# Allegro board balenaFin-PCB.brd (continued)
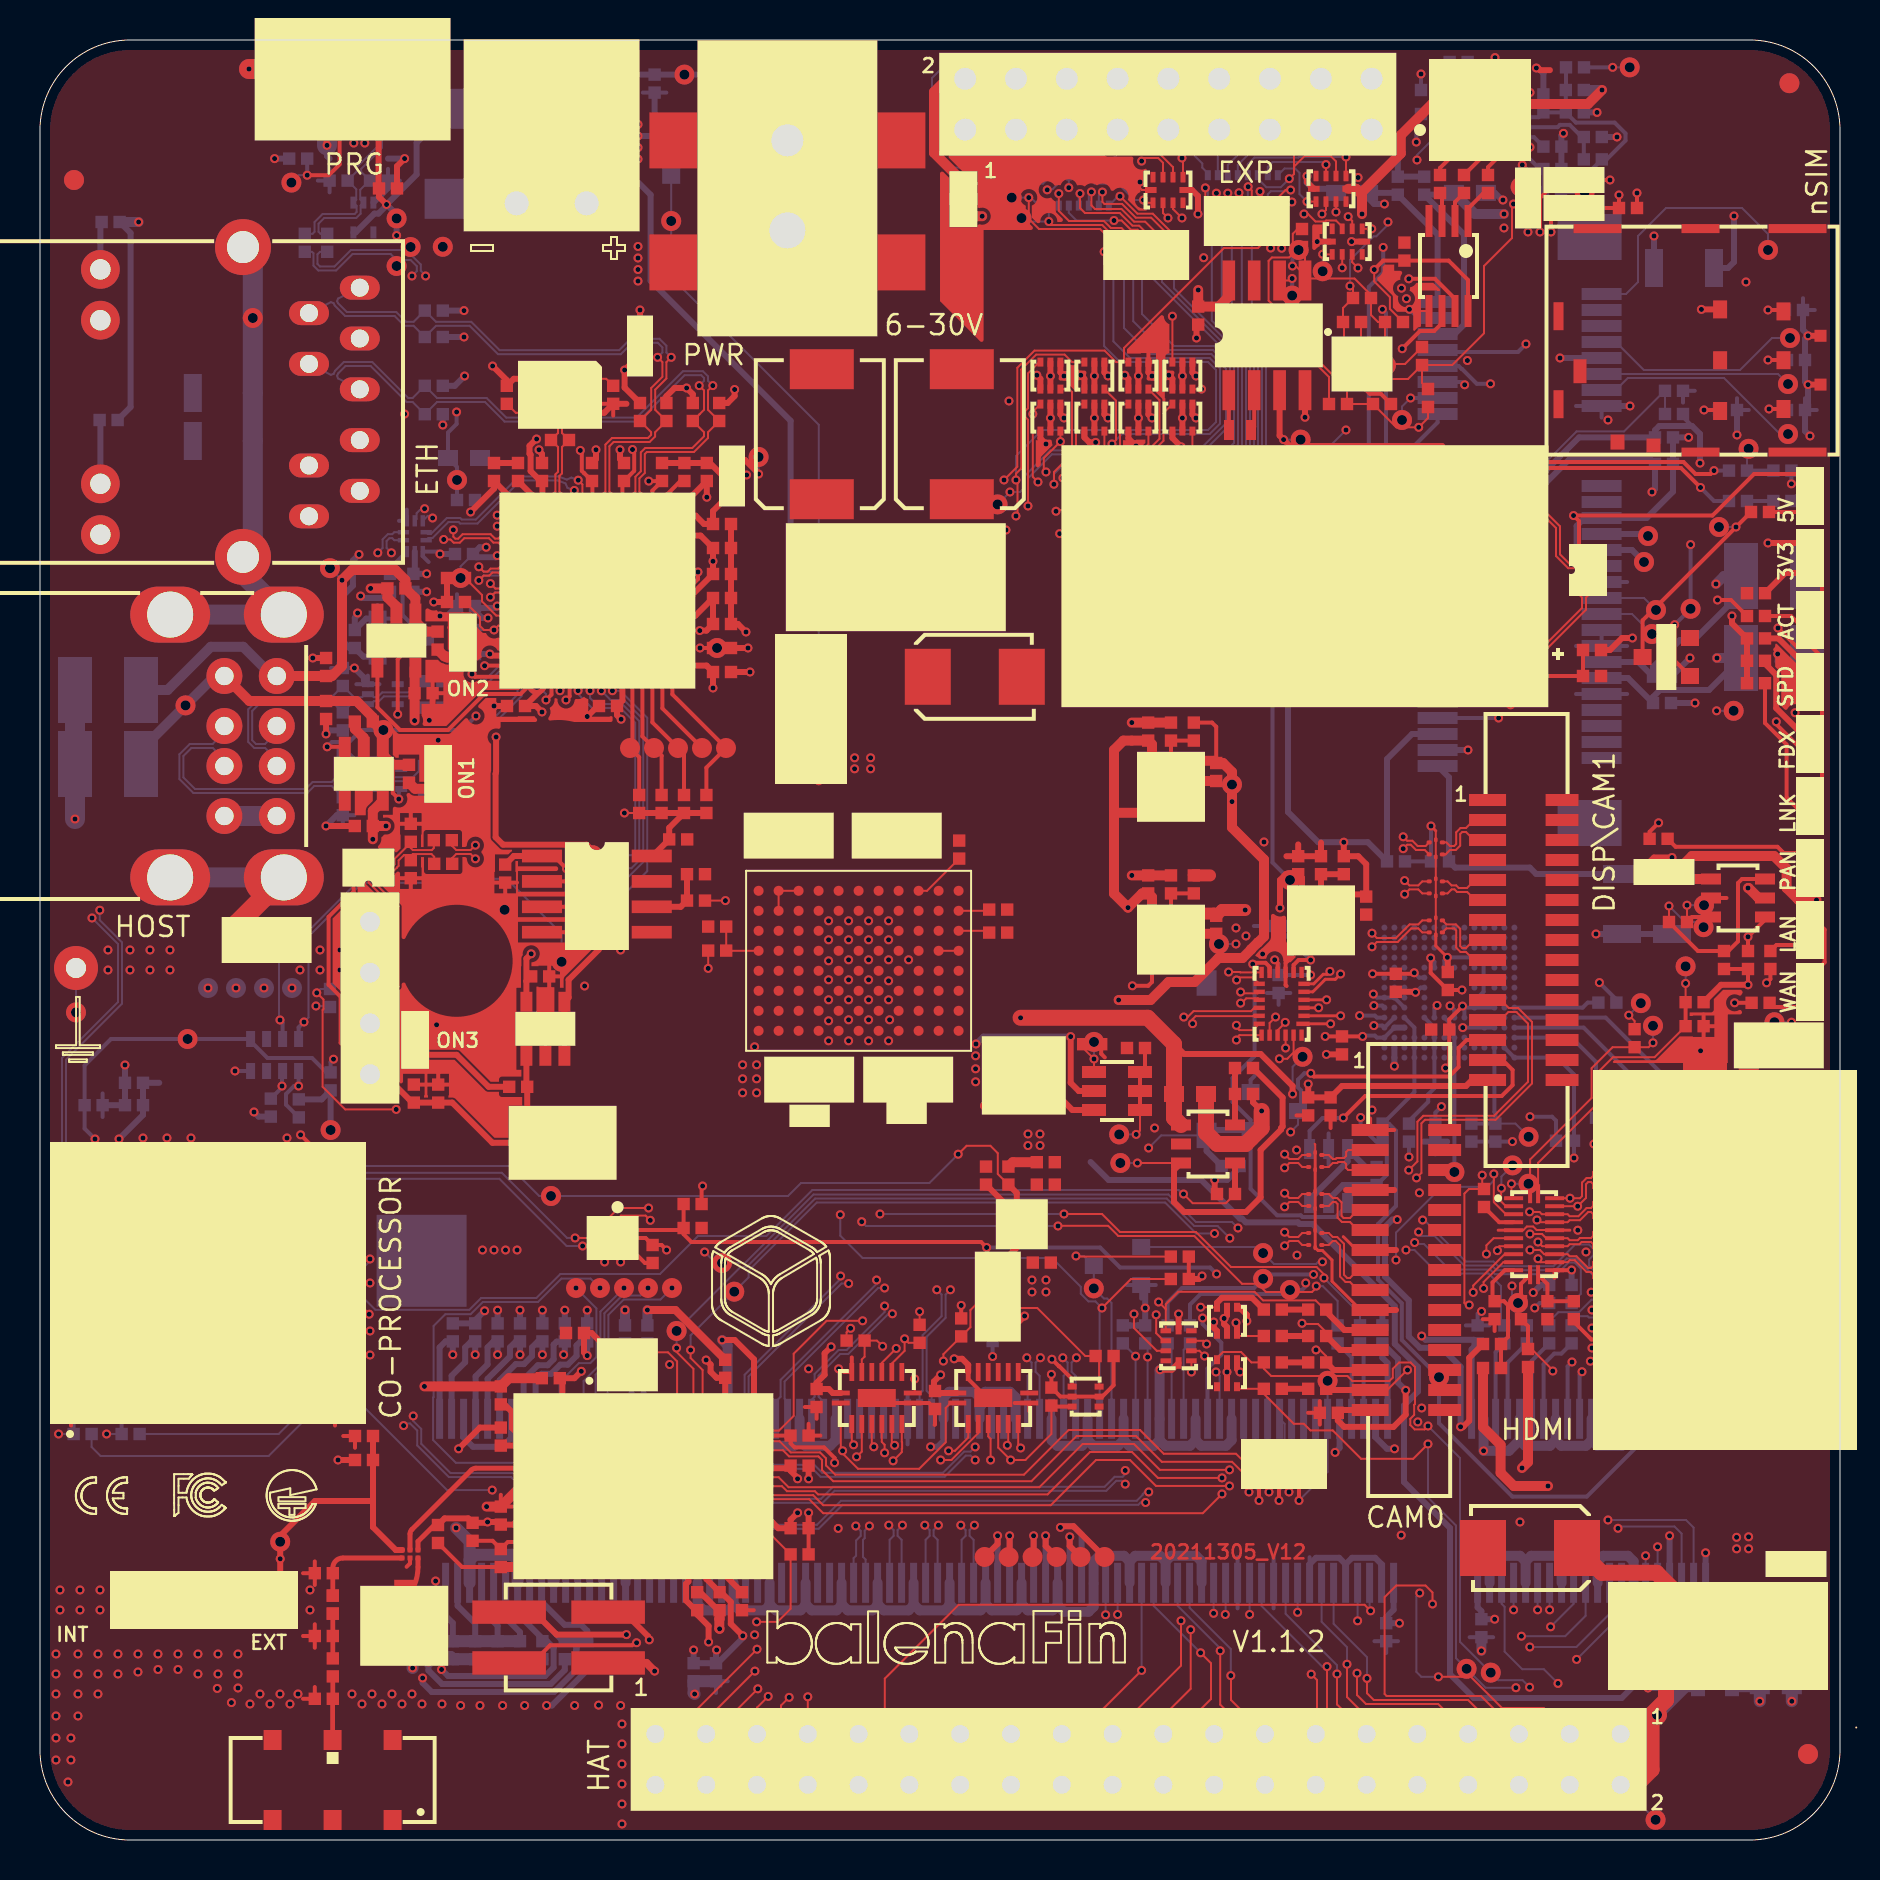
[diagram p0: board, top side]
## Placement (name value [footprint] x y rotation side) (continued)
NOREF  -  []  25.77 42.87 90 top
NOREF#2  -  []  58.5 53.26 0 top
NOREF#3  -  []  69.88 76.9 0 top
NOREF#4  -  []  111.28 81.5 90 top
NOREF#5  -  []  82.66 45.59 90 top
NOREF#6  -  []  21.94 14.65 90 top
NOREF#7  -  []  25.43 25.52 90 top
NOREF#8  -  []  54.14 24.83 90 top
NOREF#9  -  []  56.86 47.02 90 top
NOREF#10  -  []  70.2 82.75 0 top
NOREF#11  -  []  80.34 58.48 0 top
NOREF#12  -  []  50.39 34.54 0 top
NOREF#13  -  []  27.02 21.29 0 top
NOREF#14  -  []  55.26 24.83 90 top
NOREF#15  -  []  39.61 63.14 0 top
NOREF#16  -  []  73.04 25.73 90 top
NOREF#17  -  []  59.08 33.7 0 top
NOREF#18  -  []  29.5 75.1 0 top
NOREF#19  -  []  56.78 33.35 90 top
NOREF#20  -  []  67.56 75.59 90 top
NOREF#21  -  []  33.01 51.66 0 top
NOREF#22  -  []  13.43 10.51 0 top
NOREF#23  -  []  49.79 81.47 0 top
NOREF#24  -  []  83.86 10.14 90 top
NOREF#25  -  []  3.94 38.17 0 top
NOREF#26  -  []  33.53 87.1 0 top
NOREF#27  -  []  73.98 53 90 top
NOREF#28  -  []  60.45 18.05 0 top
NOREF#29  -  []  78.39 36.43 0 top
NOREF#30  -  []  64.57 26.04 0 top
NOREF#31  -  []  55.78 24.56 0 top
NOREF#32  -  []  59.44 72.49 0 top
NOREF#33  -  []  17.71 8.41 0 top
NOREF#34  -  []  -11.54 57.16 90 top
NOREF#35  -  []  40.47 23.85 0 top
NOREF#36  -  []  67 73.8 90 top
NOREF#37  -  []  27.67 25.52 90 top
NOREF#38  -  []  40.89 21.65 0 top
NOREF#39  -  []  31.91 69.16 0 top
NOREF#40  -  []  15.14 51.24 90 top
NOREF#41  -  []  77.78 84.34 0 top
NOREF#42  -  []  63.48 40.7 90 top
NOREF#43  -  []  89.65 63.7 90 top
NOREF#44  -  []  43.19 36.05 90 top
NOREF#45  -  []  25.42 44.39 90 top
NOREF#46  -  []  65.19 25.42 90 top
NOREF#47  -  []  44.97 81.54 0 top
NOREF#48  -  []  3.02 75.99 90 top
NOREF#49  -  []  60.96 36.99 90 top
NOREF#50  -  []  63.72 23.57 90 top
NOREF#51  -  []  72.2 31.65 90 top
NOREF#52  -  []  85.99 7.69 0 top
NOREF#53  -  []  61.19 23.88 0 top
NOREF#54  -  []  23.21 60.58 90 top
NOREF#55  -  []  27.5 27.6 0 top
NOREF#56  -  []  27.6 67.95 90 top
NOREF#57  -  []  17.63 86.8 0 top
NOREF#58  -  []  77.65 62.6 0 top
NOREF#59  -  []  18.76 52.91 0 top
NOREF#60  -  []  82.56 26.04 0 top
NOREF#61  -  []  61.5 22.25 90 top
NOREF#62  -  []  76.49 5.3 0 top
NOREF#63  -  []  67.31 9.94 90 top
NOREF#64  -  []  57.69 47.33 90 top
NOREF#65  -  []  22.82 7.01 90 top
NOREF#66  -  []  24.32 18.59 0 top
NOREF#67  -  []  4.2 52.15 90 top
NOREF#68  -  []  22.57 10.25 0 top
NOREF#69  -  []  56.29 23.96 90 top
NOREF#70  -  []  7.7 8.83 0 top
NOREF#71  -  []  49.99 29.77 90 top
NOREF#72  -  []  87.94 74.31 0 top
NOREF#73  -  []  82.87 41 0 top
NOREF#74  -  []  73.98 53 90 top
NOREF#75  -  []  86.05 21.12 90 top
NOREF#76  -  []  23.46 37.66 0 top
NOREF#77  -  []  34.86 59.29 90 top
NOREF#78  -  []  17.68 62.27 90 top
NOREF#79  -  []  85.9 79.5 0 top
NOREF#80  -  []  56.97 82.65 0 top
NOREF#81  -  []  18.23 16.96 0 top
NOREF#82  -  []  19.83 73.02 0 top
NOREF#83  -  []  64.45 71.8 0 top
NOREF#84  -  []  32.6 54.6 0 top
NOREF#85  -  []  40.89 21.65 90 top
NOREF#86  -  []  1.55 22.2 90 top
NOREF#87  -  []  58.44 81.45 90 top
NOREF#88  -  []  82.43 10.45 0 top
NOREF#89  -  []  11.84 53.7 90 top
NOREF#90  -  []  36.67 22.34 90 top
NOREF#91  -  []  41.59 23.4 0 top
NOREF#92  -  []  72.15 24.8 0 top
NOREF#93  -  []  23.35 14.24 90 top
NOREF#94  -  []  72.46 36.13 0 top
NOREF#95  -  []  70.39 42.5 90 top
NOREF#96  -  []  85.88 68.4 90 top
NOREF#97  -  []  23.03 73.02 0 top
NOREF#98  -  []  46.27 49.66 90 top
NOREF#99  -  []  11.94 54.16 0 top
NOREF#100  -  []  28.97 71.5 90 top
NOREF#101  -  []  77.61 42.18 0 top
NOREF#102  -  []  85.04 58.15 0 top
NOREF#103  -  []  18.08 0.5 90 top
NOREF#104  -  []  89.65 57.5 90 top
NOREF#105  -  []  40.89 51.17 0 top
NOREF#106  -  []  87.25 76.5 0 top
NOREF#107  -  []  56.78 35.3 0 top
NOREF#108  -  []  14.94 54.16 0 top
NOREF#109  -  []  84.36 66.47 90 top
NOREF#110  -  []  79.05 74.77 0 top
NOREF#111  -  []  29.65 51.66 0 top
NOREF#112  -  []  2.98 71 0 top
NOREF#113  -  []  34.79 12.7 0 top
NOREF#114  -  []  14.5 41.65 90 top
NOREF#115  -  []  63.72 26.21 90 top
NOREF#116  -  []  7.1 66.19 90 top
NOREF#117  -  []  79.4 37.65 0 top
NOREF#118  -  []  95.3 27.9 90 top
NOREF#119  -  []  67.68 12.86 0 top
NOREF#120  -  []  58.85 22.66 0 top
NOREF#121  -  []  87.26 68.78 0 top
NOREF#122  -  []  57.38 48.54 0 top
NOREF#123  -  []  24.81 26.14 0 top
NOREF#124  -  []  64.9 72.75 90 top
NOREF#125  -  []  78.65 49.25 0 top
NOREF#126  -  []  19.83 76.78 0 top
NOREF#127  -  []  69.88 76.9 0 top
NOREF#128  -  []  1.3 43.6 0 top
NOREF#129  -  []  24.22 58.82 90 top
NOREF#130  -  []  83.89 43.86 0 top
NOREF#131  -  []  55.25 82.35 0 top
NOREF#132  -  []  20 49.68 90 top
NOREF#133  -  []  61.53 72.43 90 top
NOREF#134  -  []  15.75 20.2 0 top
NOREF#135  -  []  48.14 39.43 0 top
NOREF#136  -  []  69.56 40.52 0 top
NOREF#137  -  []  61.74 82.99 90 top
NOREF#138  -  []  66.31 46.27 90 top
NOREF#139  -  []  83.28 47.6 0 top
NOREF#140  -  []  69.41 73.44 90 top
NOREF#141  -  []  19.38 50.3 0 top
NOREF#142  -  []  20.45 76.16 90 top
NOREF#143  -  []  62.49 79.7 90 top
NOREF#144  -  []  56.55 54.97 90 top
NOREF#145  -  []  77.88 80.57 0 top
NOREF#146  -  []  53.84 83.72 0 top
NOREF#147  -  []  57.5 24.86 0 top
NOREF#148  -  []  66.94 76.21 0 top
NOREF#149  -  []  14.4 19.75 90 top
NOREF#150  -  []  29.96 51.35 90 top
NOREF#151  -  []  55.3 45.89 0 top
NOREF#152  -  []  84.87 10.67 0 top
NOREF#153  -  []  60.45 18.05 0 top
NOREF#154  -  []  58.59 80.2 90 top
NOREF#155  -  []  33.65 60.8 0 top
NOREF#156  -  []  19.6 38.08 0 top
NOREF#157  -  []  85.71 43.24 90 top
NOREF#158  -  []  24.9 73.06 0 top
NOREF#159  -  []  87.35 48.2 0 top
NOREF#160  -  []  65.41 39.87 90 top
NOREF#161  -  []  84.95 7.19 90 top
NOREF#162  -  []  14.17 83.28 0 top
NOREF#163  -  []  15.67 81.87 0 top
NOREF#164  -  []  26.24 53.09 0 top
NOREF#165  -  []  11.23 36.48 0 top
NOREF#166  -  []  19.22 56.62 0 top
NOREF#167  -  []  27.95 56.7 0 top
NOREF#168  -  []  73.98 78 0 top
NOREF#169  -  []  57.28 43.47 0 top
NOREF#170  -  []  60.88 25.51 0 top
NOREF#171  -  []  34.11 8.53 90 top
NOREF#172  -  []  56.06 23.8 0 top
NOREF#173  -  []  30.32 29.16 0 top
NOREF#174  -  []  20.4 69.1 0 top
NOREF#175  -  []  56.06 24.34 90 top
NOREF#176  -  []  61.19 22.56 0 top
NOREF#177  -  []  38.48 51.17 0 top
NOREF#178  -  []  86.56 62.03 90 top
NOREF#179  -  []  12.94 36.13 90 top
NOREF#180  -  []  86.05 21.12 90 top
NOREF#181  -  []  64.88 60.2 0 top
NOREF#182  -  []  79.42 39.95 0 top
NOREF#183  -  []  87.88 68.16 90 top
NOREF#184  -  []  20.02 48.5 90 top
NOREF#185  -  []  13.74 10.2 0 top
NOREF#186  -  []  66.62 45.96 90 top
NOREF#187  -  []  51.61 22.67 0 top
NOREF#188  -  []  26.55 25.52 90 top
NOREF#189  -  []  18.76 53.45 90 top
NOREF#190  -  []  70.61 17.1 0 top
NOREF#191  -  []  81.5 48.8 0 top
NOREF#192  -  []  77.95 62.75 90 top
NOREF#193  -  []  69.45 83.95 0 top
NOREF#194  -  []  55.72 47.92 90 top
NOREF#195  -  []  12.71 39.65 90 top
NOREF#196  -  []  1.68 21.6 0 top
NOREF#197  -  []  32.99 8.53 90 top
NOREF#198  -  []  73.53 25.42 90 top
NOREF#199  -  []  22.97 57.57 90 top
NOREF#200  -  []  9.3 42.6 0 top
NOREF#201  -  []  22.06 61.39 90 top
NOREF#202  -  []  50.09 81.97 90 top
NOREF#203  -  []  24 9.04 90 top
NOREF#204  -  []  64.79 40.49 0 top
NOREF#205  -  []  66.36 75.59 90 top
NOREF#206  -  []  76.88 87.81 0 top
NOREF#207  -  []  19.2 53.7 0 top
NOREF#208  -  []  81.15 77.65 90 top
NOREF#209  -  []  56.62 70.44 0 top
NOREF#210  -  []  80.05 21.12 0 top
NOREF#211  -  []  15.43 56.23 0 top
NOREF#212  -  []  47.89 25.67 90 top
NOREF#213  -  []  13.32 62.52 0 top
NOREF#214  -  []  87.35 42 0 top
NOREF#215  -  []  11.53 85.2 90 top
NOREF#216  -  []  35.45 86.55 0 top
NOREF#217  -  []  3.94 37.05 0 top
NOREF#218  -  []  54.85 46.77 0 top
NOREF#219  -  []  3.02 67.81 90 top
NOREF#220  -  []  63.41 23.88 0 top
NOREF#221  -  []  33.98 11.49 90 top
NOREF#222  -  []  75.92 71.79 0 top
NOREF#223  -  []  19.83 71.6 0 top
NOREF#224  -  []  61.94 79.95 0 top
NOREF#225  -  []  50.87 72.32 90 top
NOREF#226  -  []  75.68 25.73 90 top
NOREF#227  -  []  80.65 58.17 0 top
NOREF#228  -  []  36.39 49.27 90 top
NOREF#229  -  []  43.98 24.86 90 top
NOREF#230  -  []  69.64 87.81 0 top
NOREF#231  -  []  32.64 70.95 90 top
NOREF#232  -  []  43.67 26.07 0 top
NOREF#233  -  []  73.68 29.69 90 top
NOREF#234  -  []  46.71 21.65 90 top
NOREF#235  -  []  54.42 72.55 90 top
NOREF#236  -  []  83.05 9.83 90 top
NOREF#237  -  []  75.66 27.45 90 top
NOREF#238  -  []  22.82 7.01 90 top
NOREF#239  -  []  67.82 84.22 90 top
NOREF#240  -  []  25.41 67.64 90 top
NOREF#241  -  []  18.36 62.72 0 top
NOREF#242  -  []  89.2 8.3 90 top
NOREF#243  -  []  60.53 35.5 0 top
NOREF#244  -  []  85.35 58.96 0 top
NOREF#245  -  []  16.5 38.29 90 top
NOREF#246  -  []  87.5 61.55 90 top
NOREF#247  -  []  68.2 82.85 90 top
NOREF#248  -  []  44.44 21.86 0 top
NOREF#249  -  []  20.22 37.46 90 top
NOREF#250  -  []  89.65 66.8 90 top
NOREF#251  -  [unnamed#2]  83.93 52.9 0 top
NOREF#252  -  []  16.28 85.88 0 top
NOREF#253  -  []  32.87 89.98 90 top
NOREF#254  -  []  57.28 81.59 90 top
NOREF#255  -  []  33.41 45.67 0 top
NOREF#256  -  []  21.34 64.61 0 top
NOREF#257  -  []  74.66 62.91 0 top
NOREF#258  -  []  75.77 25.42 90 top
NOREF#259  -  []  10.19 73.3 0 top
NOREF#260  -  []  58.22 75.46 90 top
NOREF#261  -  []  73.18 61.12 0 top
NOREF#262  -  []  32.51 51.04 90 top
NOREF#263  -  [unnamed#2]  6.07 86 0 top
NOREF#264  -  []  46.29 20.35 90 top
NOREF#265  -  []  85.66 59.77 90 top
NOREF#266  -  []  33.65 72.16 0 top
NOREF#267  -  []  51.02 70.44 90 top
NOREF#268  -  []  59.75 33.85 90 top
NOREF#269  -  []  18.8 59.72 90 top
NOREF#270  -  []  43.24 59.56 0 top
NOREF#271  -  []  80.4 10.88 0 top
NOREF#272  -  []  19.51 52.07 90 top
NOREF#273  -  []  17.89 65.1 0 top
NOREF#274  -  []  17.37 62.58 0 top
NOREF#275  -  []  26.61 25.04 90 top
NOREF#276  -  []  14.53 37.48 90 top
NOREF#277  -  []  24.87 14.09 90 top
NOREF#278  -  []  14.19 41.96 0 top
NOREF#279  -  []  29.98 80.43 0 top
NOREF#280  -  []  64.31 81.95 90 top
NOREF#281  -  []  87.17 71.55 90 top
NOREF#282  -  []  75.7 16 0 top
NOREF#283  -  []  78.36 59.19 90 top
NOREF#284  -  []  44.39 58.16 0 top
NOREF#285  -  []  86.53 26.66 90 top
NOREF#286  -  []  30.37 19.49 0 top
NOREF#287  -  []  88.1 14.2 0 top
NOREF#288  -  []  55.3 51.79 90 top
NOREF#289  -  []  57.75 27.74 90 top
NOREF#290  -  []  20.21 15.44 90 top
NOREF#291  -  []  18.54 48.09 90 top
NOREF#292  -  []  57.75 28.86 90 top
NOREF#293  -  []  57.47 72.02 0 top
NOREF#294  -  []  69.64 86.61 0 top
NOREF#295  -  []  74.34 24.83 90 top
NOREF#296  -  []  25.55 70 0 top
NOREF#297  -  []  33.41 44.47 0 top
NOREF#298  -  []  61.19 25.2 0 top
NOREF#299  -  []  20.75 64.3 0 top
NOREF#300  -  []  69.88 76.9 90 top
NOREF#301  -  []  15.45 58.29 90 top
NOREF#302  -  []  20.45 74.84 90 top
NOREF#303  -  [unnamed#3]  83.93 4 0 top
NOREF#304  -  []  66.23 79.02 90 top
NOREF#305  -  []  19.24 75.15 0 top
NOREF#306  -  []  19.73 43.96 0 top
NOREF#307  -  []  86.67 68.47 0 top
NOREF#308  -  []  10.76 38.85 90 top
NOREF#309  -  []  34.1 68.6 0 top
NOREF#310  -  []  51.53 14.15 0 top
NOREF#311  -  []  13.48 82.5 0 top
NOREF#312  -  []  80.19 9.73 0 top
NOREF#313  -  []  53.29 82.97 90 top
NOREF#314  -  []  77.5 86.07 90 top
NOREF#315  -  []  80.5 8.52 90 top
NOREF#316  -  []  32.05 50.34 0 top
NOREF#317  -  []  72.09 82.66 0 top
NOREF#318  -  []  23.01 67.64 90 top
NOREF#319  -  []  68.1 43 90 top
NOREF#320  -  []  75.17 84.67 0 top
NOREF#321  -  []  1.99 21.29 90 top
NOREF#322  -  []  4.56 37.55 90 top
NOREF#323  -  []  1.75 57.5 0 top
NOREF#324  -  []  77.92 41.87 0 top
NOREF#325  -  []  75.9 83 0 top
NOREF#326  -  []  31.56 83.21 0 top
NOREF#327  -  []  4.47 36.82 90 top
NOREF#328  -  []  62.29 83.74 0 top
NOREF#329  -  []  33.96 70.95 90 top
NOREF#330  -  []  28.26 56.39 90 top
NOREF#331  -  []  66.51 79.77 90 top
NOREF#332  -  []  54.95 25.14 0 top
NOREF#333  -  []  68.56 48.62 90 top
NOREF#334  -  []  80.65 56.85 0 top
NOREF#335  -  []  14.33 8.49 0 top
NOREF#336  -  []  87.5 57.45 90 top
NOREF#337  -  []  58.54 32.61 0 top
NOREF#338  -  []  58.54 81.99 90 top
NOREF#339  -  []  99.77 69.74 90 top
NOREF#340  -  []  60.88 26.83 0 top
NOREF#341  -  []  62.57 43.66 0 top
NOREF#342  -  []  65.74 76.21 0 top
NOREF#343  -  []  77.19 85.15 0 top
NOREF#344  -  []  52.7 36.5 0 top
NOREF#345  -  []  33.1 44.78 0 top
NOREF#346  -  []  57.46 78 90 top
NOREF#347  -  []  90.85 32.7 0 top
NOREF#348  -  []  53.56 78.5 0 top
NOREF#349  -  []  56.91 78.25 0 top
NOREF#350  -  []  73.36 24.49 90 top
NOREF#351  -  []  71.88 24.83 90 top
NOREF#352  -  []  80.17 35.67 0 top
NOREF#353  -  []  45.41 21.73 0 top
NOREF#354  -  []  60.97 39.96 0 top
NOREF#355  -  []  72.71 82.04 90 top
NOREF#356  -  []  44.96 84.22 0 top
NOREF#357  -  []  81.6 45.3 90 top
NOREF#358  -  []  14.83 55.79 0 top
NOREF#359  -  []  27.36 24.93 90 top
NOREF#360  -  []  84.2 64.85 0 top
NOREF#361  -  []  30.2 54.6 0 top
NOREF#362  -  []  58 55.56 90 top
NOREF#363  -  []  30.94 28.54 90 top
NOREF#364  -  []  88.15 49 0 top
NOREF#365  -  []  41.91 38.02 0 top
NOREF#366  -  []  16.57 52.55 90 top
NOREF#367  -  []  75.66 25.8 90 top
NOREF#368  -  []  34.86 58.09 90 top
NOREF#369  -  []  25.1 47.93 90 top
NOREF#370  -  []  6.51 48.13 90 top
NOREF#371  -  []  54.7 37.8 0 top
NOREF#372  -  []  80.75 70.13 0 top
NOREF#373  -  []  3.02 65.27 90 top
NOREF#374  -  []  22.06 58.99 90 top
NOREF#375  -  []  53.84 83.72 0 top
NOREF#376  -  []  84.45 68.47 0 top
NOREF#377  -  []  40.64 24.66 90 top
NOREF#378  -  []  86.25 112.01 90 top
NOREF#379  -  []  85.66 66.64 90 top
NOREF#380  -  []  16.05 55.61 90 top
NOREF#381  -  []  63.57 71.49 90 top
NOREF#382  -  []  4.5 0 90 top
NOREF#383  -  []  80.72 10.2 0 top
NOREF#384  -  []  68.9 83.47 0 top
NOREF#385  -  []  76.27 26.04 0 top
NOREF#386  -  []  44.47 80.08 90 top
NOREF#387  -  []  64.06 25.8 0 top
NOREF#388  -  []  86.83 44.14 90 top
NOREF#389  -  []  11.09 69 90 top
NOREF#390  -  []  87.94 71.81 0 top
NOREF#391  -  []  67.35 48.93 0 top
NOREF#392  -  []  48.14 37.03 90 top
NOREF#393  -  []  16.06 18.69 90 top
NOREF#394  -  []  25.12 9.04 90 top
NOREF#395  -  []  84.36 61.12 90 top
NOREF#396  -  []  45.09 68.64 0 top
NOREF#397  -  []  30.42 88.58 0 top
NOREF#398  -  []  74.4 81.3 90 top
NOREF#399  -  []  33.56 46.66 90 top
NOREF#400  -  []  29.98 80.43 90 top
NOREF#401  -  []  4.47 39.76 0 top
NOREF#402  -  []  63.72 22.25 90 top
NOREF#403  -  []  15.74 50.7 0 top
NOREF#404  -  []  51.05 32.46 90 top
NOREF#405  -  []  71.76 84.79 90 top
NOREF#406  -  []  48.19 29.77 0 top
NOREF#407  -  []  60.3 70 0 top
NOREF#408  -  []  34.26 23.11 90 top
NOREF#409  -  []  52.73 14.15 0 top
NOREF#410  -  []  69.21 82.27 90 top
NOREF#411  -  []  70.08 42.81 0 top
NOREF#412  -  []  22.07 25.52 90 top
NOREF#413  -  []  18.85 50.5 90 top
NOREF#414  -  []  30.68 25.42 90 top
NOREF#415  -  []  66.52 33.06 0 top
NOREF#416  -  []  56.2 37.7 0 top
NOREF#417  -  []  59.16 31.99 90 top
NOREF#418  -  []  54.27 71.57 90 top
NOREF#419  -  []  63.1 25.51 0 top
NOREF#420  -  []  18.08 1.5 90 top
NOREF#421  -  []  44.29 25.45 90 top
NOREF#422  -  []  45.65 50.28 0 top
NOREF#423  -  []  84.51 43.24 90 top
NOREF#424  -  []  18.5 14.5 0 top
NOREF#425  -  []  12.1 42.6 0 top
NOREF#426  -  []  85.58 41.86 0 top
NOREF#427  -  []  1.37 21.91 0 top
NOREF#428  -  []  81.25 71.3 0 top
NOREF#429  -  []  46.37 24.87 90 top
NOREF#430  -  []  75.07 61.44 90 top
NOREF#431  -  []  86.25 9.92 90 top
NOREF#432  -  []  20.85 61.7 0 top
NOREF#433  -  []  76.38 26.35 0 top
NOREF#434  -  []  77.8 36.12 0 top
NOREF#435  -  []  25.92 38.71 0 top
NOREF#436  -  []  53.22 70.44 90 top
NOREF#437  -  []  57.13 28.36 0 top
NOREF#438  -  []  20.04 62.21 0 top
NOREF#439  -  []  34.6 67.4 90 top
NOREF#440  -  []  73.83 71.91 0 top
NOREF#441  -  []  76.29 87.5 0 top
NOREF#442  -  []  20.95 25.52 90 top
NOREF#443  -  []  60.45 18.05 90 top
NOREF#444  -  []  21.44 67.31 0 top
NOREF#445  -  []  74.86 87.59 0 top
NOREF#446  -  []  63.1 79.65 90 top
NOREF#447  -  []  64.88 24.83 90 top
NOREF#448  -  []  87.35 71.5 0 top
NOREF#449  -  []  71.8 81.95 90 top
NOREF#450  -  []  36.67 22.34 0 top
NOREF#451  -  []  75 33.39 0 top
NOREF#452  -  []  43.64 21.85 90 top
NOREF#453  -  []  12.19 48.13 90 top
NOREF#454  -  []  2.82 37.05 0 top
NOREF#455  -  []  22.88 24.93 90 top
NOREF#456  -  []  47.44 27.72 90 top
NOREF#457  -  []  47.44 40.13 0 top
NOREF#458  -  []  16.87 49.02 0 top
NOREF#459  -  []  20.53 82.06 90 top
NOREF#460  -  []  17.06 62.89 0 top
NOREF#461  -  []  35.41 12.08 90 top
NOREF#462  -  []  20.66 61.59 90 top
NOREF#463  -  []  18.73 57.34 0 top
NOREF#464  -  []  47.15 46.83 0 top
NOREF#465  -  []  82.87 24.83 90 top
NOREF#466  -  []  21.44 59.61 0 top
NOREF#467  -  []  70.26 85.99 90 top
NOREF#468  -  []  14.81 41.34 90 top
NOREF#469  -  []  30.5 73.5 90 top
NOREF#470  -  []  32.35 46.97 0 top
NOREF#471  -  []  16.19 54.66 0 top
NOREF#472  -  []  22.57 26.14 0 top
NOREF#473  -  []  79.54 81.91 0 top
NOREF#474  -  []  10.93 82.5 0 top
NOREF#475  -  []  18.23 16.16 90 top
NOREF#476  -  []  19.91 39.61 90 top
NOREF#477  -  []  73.08 71.91 0 top
NOREF#478  -  []  59.12 52.64 90 top
NOREF#479  -  []  34.86 65.49 90 top
NOREF#480  -  []  29.97 19.49 0 top
NOREF#481  -  []  15.75 19 0 top
NOREF#482  -  []  19.69 49.99 0 top
NOREF#483  -  []  42.88 36.36 0 top
NOREF#484  -  []  72.73 26.04 90 top
NOREF#485  -  []  3.75 21 0 top
NOREF#486  -  []  82.87 42.2 0 top
NOREF#487  -  []  20.64 9.04 90 top
NOREF#488  -  []  83.16 11.86 90 top
NOREF#489  -  []  63.19 39.96 90 top
NOREF#490  -  []  33.48 83.76 90 top
NOREF#491  -  []  72.2 76.28 90 top
NOREF#492  -  []  75.9 81.6 0 top
NOREF#493  -  []  24.56 43.18 0 top
NOREF#494  -  []  22.21 11.86 0 top
NOREF#495  -  []  64.9 73.6 90 top
NOREF#496  -  []  33.09 86.7 90 top
NOREF#497  -  []  1.37 20.61 0 top
NOREF#498  -  []  58.59 80.2 0 top
NOREF#499  -  []  64.1 18.3 90 top
NOREF#500  -  []  89.65 51.3 90 top
NOREF#501  -  []  16.87 58.62 90 top
NOREF#502  -  []  84.36 61.12 90 top
NOREF#503  -  []  70.15 40.83 0 top
NOREF#504  -  []  68.22 78.97 90 top
NOREF#505  -  []  63.22 48.88 90 top
NOREF#506  -  []  31.32 70.95 90 top
NOREF#507  -  []  53.56 78.5 0 top
NOREF#508  -  []  68.79 74.06 0 top
NOREF#509  -  []  28.35 72.12 0 top
NOREF#510  -  []  84.97 12.11 0 top
NOREF#511  -  []  12 6.55 0 top
NOREF#512  -  []  60.88 22.87 0 top
NOREF#513  -  []  24.81 12.71 90 top
NOREF#514  -  []  15.14 53.46 90 top
NOREF#515  -  []  82.46 70.99 90 top
NOREF#516  -  []  50.43 34.2 0 top
NOREF#517  -  []  64.36 47.98 90 top
NOREF#518  -  []  44.75 21.55 90 top
NOREF#519  -  []  72.77 34.92 90 top
NOREF#520  -  []  72.91 26.04 0 top
NOREF#521  -  []  39.55 53 90 top
NOREF#522  -  []  37.84 19.91 90 top
NOREF#523  -  []  33.39 31.49 90 top
NOREF#524  -  []  31.41 67.64 90 top
NOREF#525  -  []  34.27 71.54 90 top
NOREF#526  -  []  80.58 52.3 90 top
NOREF#527  -  []  26.22 39.21 90 top
NOREF#528  -  []  65.19 48.29 90 top
NOREF#529  -  []  79.7 63.9 0 top
NOREF#530  -  []  20.45 70.98 90 top
NOREF#531  -  []  61.28 45.7 0 top
NOREF#532  -  []  11.8 87.31 90 top
NOREF#533  -  []  76.88 86.69 0 top
NOREF#534  -  []  60.34 38.91 0 top
NOREF#535  -  []  17.61 39.61 0 top
NOREF#536  -  []  69.77 34.92 90 top
NOREF#537  -  []  80.34 57.16 0 top
NOREF#538  -  []  16.96 19.89 90 top
NOREF#539  -  []  70.23 29.5 90 top
NOREF#540  -  []  3.02 65.27 90 top
NOREF#541  -  []  34.24 66.11 0 top
NOREF#542  -  []  16.88 59.17 0 top
NOREF#543  -  []  58.85 25.29 90 top
NOREF#544  -  []  71.76 11.35 0 top
NOREF#545  -  []  64.21 79.77 0 top
NOREF#546  -  []  2.67 71.31 0 top
NOREF#547  -  []  57.72 51.11 90 top
NOREF#548  -  []  33.65 59.6 0 top
NOREF#549  -  []  58.14 81.22 90 top
NOREF#550  -  []  37.53 14.28 0 top
NOREF#551  -  []  18.69 36.87 90 top
NOREF#552  -  []  60.34 37.61 0 top
NOREF#553  -  []  85.04 59.27 0 top
NOREF#554  -  []  18.23 48.4 0 top
NOREF#555  -  []  90.39 37.12 0 top
NOREF#556  -  []  18.38 38.08 0 top
NOREF#557  -  []  77 82 0 top
NOREF#558  -  []  58.81 45.31 90 top
NOREF#559  -  []  73.15 85.82 90 top
NOREF#560  -  []  4.25 36.74 0 top
NOREF#561  -  []  64.53 36.23 90 top
NOREF#562  -  []  47.77 45.06 90 top
NOREF#563  -  []  22.73 20.03 0 top
NOREF#564  -  []  71.88 35.51 90 top
NOREF#565  -  []  41.86 84.08 90 top
NOREF#566  -  []  18.17 64.99 90 top
NOREF#567  -  []  73.98 78 0 top
NOREF#568  -  []  24.79 68.26 0 top
NOREF#569  -  []  81.75 24.83 90 top
NOREF#570  -  []  3.44 36.43 90 top
NOREF#571  -  []  24.02 5.81 0 top
NOREF#572  -  []  16.05 50.39 90 top
NOREF#573  -  []  20.35 63.1 0 top
NOREF#574  -  []  89.65 48.2 90 top
NOREF#575  -  []  45.96 49.07 90 top
NOREF#576  -  []  47.87 36.88 90 top
NOREF#577  -  []  19.53 57.63 90 top
NOREF#578  -  []  20.33 10.25 0 top
NOREF#579  -  []  35.47 14.09 90 top
NOREF#580  -  []  32.04 48.6 0 top
NOREF#581  -  []  61.53 72.43 0 top
NOREF#582  -  []  59.2 70 90 top
NOREF#583  -  []  14.84 37.17 90 top
NOREF#584  -  []  28.89 68.26 0 top
NOREF#585  -  []  24.67 37.35 90 top
NOREF#586  -  []  83.55 48.05 0 top
NOREF#587  -  []  14.61 58.79 90 top
NOREF#588  -  []  62.24 80.45 90 top
NOREF#589  -  []  59.7 71 0 top
NOREF#590  -  []  57.21 78.75 90 top
NOREF#591  -  []  76.58 24.83 90 top
NOREF#592  -  [unnamed#3]  83.93 86 0 top
NOREF#593  -  []  21.44 60.81 0 top
NOREF#594  -  []  64.35 17.55 90 top
NOREF#595  -  []  49.87 71.57 90 top
NOREF#596  -  []  50.88 21.41 90 top
NOREF#597  -  []  43.21 21.25 90 top
NOREF#598  -  []  28.43 30.67 0 top
NOREF#599  -  []  79.01 35.81 90 top
NOREF#600  -  []  85.49 7.29 90 top
NOREF#601  -  []  58.33 35.23 90 top
NOREF#602  -  []  33.37 17.89 90 top
NOREF#603  -  []  7.64 69.95 0 top
NOREF#604  -  []  31.04 87.96 90 top
NOREF#605  -  []  63.25 72.49 90 top
NOREF#606  -  []  20.35 61.9 0 top
NOREF#607  -  []  31.01 72.16 0 top
NOREF#608  -  []  58.59 80.2 0 top
NOREF#609  -  []  83.28 12.86 0 top
NOREF#610  -  []  52.47 39.48 90 top
NOREF#611  -  []  27.67 9.63 90 top
NOREF#612  -  []  76.27 27.16 0 top
NOREF#613  -  []  34.24 61.11 0 top
NOREF#614  -  []  74.9 82.5 90 top
NOREF#615  -  []  77 73.44 0 top
NOREF#616  -  []  23.04 15.77 90 top
NOREF#617  -  []  6.07 4 0 top
NOREF#618  -  []  56.88 43.74 0 top
NOREF#619  -  []  72.73 61.12 90 top
NOREF#620  -  []  58.19 82.2 0 top
NOREF#621  -  []  27.7 86.59 0 top
NOREF#622  -  []  88.15 52.1 0 top
NOREF#623  -  []  53.07 72.32 90 top
NOREF#624  -  []  10.28 44.05 90 top
NOREF#625  -  []  63.33 81.59 90 top
NOREF#626  -  []  21.96 63.99 90 top
NOREF#627  -  []  54.42 70.44 0 top
NOREF#628  -  []  50.33 14.15 0 top
NOREF#629  -  []  67 73.05 90 top
NOREF#630  -  []  20.85 67 0 top
NOREF#631  -  []  63.4 82.41 0 top
NOREF#632  -  []  71.91 86.64 0 top
NOREF#633  -  []  7.7 15.18 90 top
NOREF#634  -  []  56.24 47.64 0 top
NOREF#635  -  []  87.35 63.7 0 top
NOREF#636  -  []  15.98 48.02 90 top
NOREF#637  -  []  58.54 81.99 90 top
NOREF#638  -  []  80.05 21.12 90 top
NOREF#639  -  []  10.93 82.5 0 top
NOREF#640  -  []  19.16 11.56 0 top
NOREF#641  -  []  17.71 8.41 90 top
NOREF#642  -  []  55.17 81.53 90 top
NOREF#643  -  []  23.69 26.14 0 top
NOREF#644  -  []  50.87 72.02 0 top
NOREF#645  -  []  57.28 51.11 0 top
NOREF#646  -  []  87 13.8 0 top
NOREF#647  -  []  32.35 48.29 0 top
NOREF#648  -  []  78 82.6 90 top
NOREF#649  -  []  32.87 94.48 0 top
NOREF#650  -  []  26.97 17.49 90 top
NOREF#651  -  []  72.73 61.12 90 top
NOREF#652  -  []  57.47 74.12 0 top
NOREF#653  -  []  39.58 80.43 90 top
NOREF#654  -  []  69.52 82.85 90 top
NOREF#655  -  []  72.73 61.12 90 top
NOREF#656  -  []  27.91 67.64 90 top
NOREF#657  -  []  28.02 86.28 0 top
NOREF#658  -  []  55.1 48.54 0 top
NOREF#659  -  []  70.6 76.62 0 top
NOREF#660  -  []  19.22 57.94 0 top
NOREF#661  -  []  76.89 25.42 90 top
NOREF#662  -  []  57.83 35.87 0 top
NOREF#663  -  []  3.08 80.9 0 top
NOREF#664  -  []  24.21 68.54 90 top
NOREF#665  -  []  86.96 9.28 90 top
NOREF#666  -  []  69.95 84.45 0 top
NOREF#667  -  []  14.95 7.87 90 top
NOREF#668  -  []  58.75 76.83 0 top
NOREF#669  -  []  29.05 23.89 90 top
NOREF#670  -  []  12.38 45.95 0 top
NOREF#671  -  []  81.34 69.12 0 top
NOREF#672  -  []  54.35 39.6 0 top
NOREF#673  -  []  13.63 86.8 90 top
NOREF#674  -  []  55.41 54.97 90 top
NOREF#675  -  []  78.08 59.7 90 top
NOREF#676  -  []  63.67 81.66 0 top
NOREF#677  -  []  31.1 27.6 0 top
NOREF#678  -  []  63.15 40.81 90 top
NOREF#679  -  []  27.84 22.44 90 top
NOREF#680  -  []  75.92 76.19 0 top
NOREF#681  -  []  19.24 71.29 0 top
NOREF#682  -  []  86.79 41.55 90 top
NOREF#683  -  []  65.22 44.43 90 top
NOREF#684  -  []  3.77 21.91 0 top
NOREF#685  -  []  4.2 55.85 90 top
NOREF#686  -  []  60.08 37.8 0 top
NOREF#687  -  []  23.34 71.81 90 top
NOREF#688  -  []  80.1 60.3 0 top
NOREF#689  -  []  25.1 45.39 0 top
NOREF#690  -  []  64.48 79.55 90 top
NOREF#691  -  []  21.06 52.91 90 top
NOREF#692  -  []  57.72 51.11 90 top
NOREF#693  -  []  49.84 32.77 0 top
NOREF#694  -  []  33.92 21.29 0 top
NOREF#695  -  []  75.49 35.27 0 top
NOREF#696  -  []  62.91 48.29 90 top
NOREF#697  -  []  75.15 26.04 0 top
NOREF#698  -  []  16.87 58.62 0 top
NOREF#699  -  []  15.44 19.31 0 top
NOREF#700  -  []  71.89 31.96 0 top
NOREF#701  -  []  87.35 74 0 top
NOREF#702  -  []  53.09 23.89 90 top
NOREF#703  -  []  65.15 75.9 0 top
NOREF#704  -  []  18.45 52.86 90 top
NOREF#705  -  []  84.2 60.75 0 top
NOREF#706  -  []  69.09 71.96 0 top
NOREF#707  -  []  19.24 76.47 0 top
NOREF#708  -  []  76.88 85.46 0 top
NOREF#709  -  []  10.15 64.16 90 top
NOREF#710  -  []  83.49 40.38 90 top
NOREF#711  -  []  30.73 87.37 90 top
NOREF#712  -  []  21.45 10.25 0 top
NOREF#713  -  []  58.5 45.62 0 top
NOREF#714  -  []  72.42 26.35 0 top
NOREF#715  -  []  72.74 25.11 0 top
NOREF#716  -  []  47.15 45.68 0 top
NOREF#717  -  []  18.23 65.68 0 top
NOREF#718  -  []  24.2 71.94 0 top
NOREF#719  -  []  74.4 23.65 90 top
NOREF#720  -  []  84.36 61.12 90 top
NOREF#721  -  []  73.9 83.3 0 top
NOREF#722  -  []  87.84 76.81 0 top
NOREF#723  -  []  88.15 67.6 0 top
NOREF#724  -  []  40.09 71.94 90 top
NOREF#725  -  []  72.07 10.14 90 top
NOREF#726  -  []  73.98 78 90 top
NOREF#727  -  []  74.65 74.77 0 top
NOREF#728  -  []  18.85 47.78 90 top
NOREF#729  -  []  84.54 71.81 0 top
NOREF#730  -  []  82.28 40.69 0 top
NOREF#731  -  []  11.54 36.17 90 top
NOREF#732  -  []  75.42 82.84 0 top
NOREF#733  -  []  90.72 34.3 90 top
NOREF#734  -  []  85.16 71.19 90 top
NOREF#735  -  []  19.94 57.03 90 top
NOREF#736  -  []  64.61 80.56 0 top
NOREF#737  -  []  73.74 27.25 0 top
NOREF#738  -  []  74.86 84.98 0 top
NOREF#739  -  []  33.95 23.42 0 top
NOREF#740  -  []  7.1 77.62 90 top
NOREF#741  -  []  15.14 57.7 90 top
NOREF#742  -  []  56.88 34.34 90 top
NOREF#743  -  []  23.98 58.51 90 top
NOREF#744  -  []  80.3 61.5 0 top
NOREF#745  -  []  27.28 84.77 90 top
NOREF#746  -  []  81.56 72.15 90 top
NOREF#747  -  []  82.05 44.35 90 top
NOREF#748  -  []  15.45 55.17 90 top
NOREF#749  -  []  32.53 68.54 90 top
NOREF#750  -  []  65.5 48.88 90 top
NOREF#751  -  []  89.9 29.9 0 top
NOREF#752  -  []  60.53 35.5 90 top
NOREF#753  -  []  54.85 43.27 90 top
NOREF#754  -  []  75.7 13.2 90 top
NOREF#755  -  []  62 48 0 top
NOREF#756  -  []  74.09 24.86 0 top
NOREF#757  -  []  15.43 59.91 0 top
NOREF#758  -  []  60.05 20.05 0 top
NOREF#759  -  []  83.18 25.42 90 top
NOREF#760  -  []  80.48 50.06 0 top
NOREF#761  -  []  26.24 24.93 90 top
NOREF#762  -  []  20.45 72.4 90 top
NOREF#763  -  []  25.1 67.95 90 top
NOREF#764  -  []  24.31 25.52 90 top
NOREF#765  -  []  70.85 88.78 0 top
NOREF#766  -  []  21.44 62.01 0 top
NOREF#767  -  []  14.33 13.65 0 top
NOREF#768  -  []  62.49 45.39 90 top
NOREF#769  -  []  47.46 46.52 0 top
NOREF#770  -  []  24.87 13.49 90 top
NOREF#771  -  []  33.65 58.4 0 top
NOREF#772  -  []  78.47 61.12 0 top
NOREF#773  -  []  80.4 48.4 0 top
NOREF#774  -  []  47.32 25.26 0 top
NOREF#775  -  []  17.26 11.56 0 top
NOREF#776  -  []  48.09 61.23 90 top
NOREF#777  -  []  57.55 82.35 90 top
NOREF#778  -  []  13.45 76.34 0 top
NOREF#779  -  []  58.19 82.2 0 top
NOREF#780  -  []  85.66 68.16 90 top
NOREF#781  -  []  58.85 32.3 0 top
NOREF#782  -  []  78.95 81.6 0 top
NOREF#783  -  []  19.59 16.06 0 top
NOREF#784  -  []  60.05 20.05 0 top
NOREF#785  -  []  65.7 82.41 90 top
NOREF#786  -  []  56.62 72.55 0 top
NOREF#787  -  []  87 75.1 0 top
NOREF#788  -  []  81.34 70.44 0 top
NOREF#789  -  []  10.7 42.6 0 top
NOREF#790  -  []  35.1 11.49 90 top
NOREF#791  -  []  55.6 43.72 0 top
NOREF#792  -  []  46.09 67.04 90 top
NOREF#793  -  []  61.5 23.57 90 top
NOREF#794  -  []  80.81 9.11 90 top
NOREF#795  -  []  85.66 58.65 90 top
NOREF#796  -  []  24.03 6.54 90 top
NOREF#797  -  []  81.69 49.75 90 top
NOREF#798  -  []  24.48 34.86 0 top
NOREF#799  -  []  47.47 38.83 0 top
NOREF#800  -  []  16.39 57.79 0 top
NOREF#801  -  []  71.57 34.92 90 top
NOREF#802  -  []  37.84 15.28 90 top
NOREF#803  -  []  60.63 39.91 0 top
NOREF#804  -  []  67.58 83.47 0 top
NOREF#805  -  []  57.81 23.8 90 top
NOREF#806  -  []  22.73 14.86 0 top
NOREF#807  -  []  49.03 21.25 90 top
NOREF#808  -  []  35.94 50.22 0 top
NOREF#809  -  []  75.46 24.83 90 top
NOREF#810  -  []  72.38 10.73 90 top
NOREF#811  -  []  15.97 80.23 90 top
NOREF#812  -  []  24.31 9.63 90 top
NOREF#813  -  []  16.83 26.66 0 top
NOREF#814  -  []  11.69 55.86 0 top
NOREF#815  -  []  32.55 11.8 0 top
NOREF#816  -  []  79.73 39.64 90 top
NOREF#817  -  []  65.12 82.71 0 top
NOREF#818  -  []  14.22 37.79 0 top
NOREF#819  -  []  76.95 62.75 0 top
NOREF#820  -  []  61.89 81.74 90 top
NOREF#821  -  []  73.98 78 0 top
NOREF#822  -  []  33.32 51.35 90 top
NOREF#823  -  []  71.57 26.04 0 top
NOREF#824  -  []  74.71 24.24 90 top
NOREF#825  -  []  24.32 41.91 0 top
NOREF#826  -  []  88.15 45.9 0 top
NOREF#827  -  []  11.18 0.5 0 top
NOREF#828  -  []  63.19 43.1 90 top
NOREF#829  -  []  54.85 54.41 0 top
NOREF#830  -  []  67.25 75.9 0 top
NOREF#831  -  []  57.81 25.42 90 top
NOREF#832  -  []  36.57 84.96 0 top
NOREF#833  -  []  64.88 49.5 0 top
NOREF#834  -  []  88.74 5.3 0 top
NOREF#835  -  []  29.2 67.95 90 top
NOREF#836  -  []  57.91 23.48 90 top
NOREF#837  -  []  18.23 51.12 0 top
NOREF#838  -  []  15.74 59.6 90 top
NOREF#839  -  []  58.77 34.01 0 top
NOREF#840  -  []  72.74 23.91 0 top
NOREF#841  -  []  67.48 43.62 0 top
NOREF#842  -  []  25.93 77.6 90 top
NOREF#843  -  []  60.68 42.92 0 top
NOREF#844  -  []  59.12 45 90 top
NOREF#845  -  []  22.73 16.08 0 top
NOREF#846  -  []  4.08 21.6 0 top
NOREF#847  -  []  33.63 51.04 90 top
NOREF#848  -  []  89.65 45.1 90 top
NOREF#849  -  []  82.55 7.19 0 top
NOREF#850  -  []  33.17 11.18 90 top
NOREF#851  -  []  68.53 79.56 90 top
NOREF#852  -  []  19.83 75.46 0 top
NOREF#853  -  []  19.24 72.71 0 top
NOREF#854  -  []  47.66 37.26 90 top
NOREF#855  -  []  18.91 58.25 0 top
NOREF#856  -  []  84.36 61.12 90 top
NOREF#857  -  []  9.83 45 0 top
NOREF#858  -  []  15.14 55.48 90 top
NOREF#859  -  []  87.35 60.6 0 top
NOREF#860  -  []  86.67 66.95 0 top
NOREF#861  -  []  45.67 82.54 0 top
NOREF#862  -  []  14.05 6.75 90 top
NOREF#863  -  []  11.35 88.26 0 top
NOREF#864  -  []  70.31 82.04 90 top
NOREF#865  -  []  63.74 48.6 0 top
NOREF#866  -  []  50.52 73.9 0 top
NOREF#867  -  []  72.4 82.35 90 top
NOREF#868  -  []  42.57 36.67 0 top
NOREF#869  -  []  19.03 14.38 90 top
NOREF#870  -  []  38.62 36.52 0 top
NOREF#871  -  []  62.8 46.86 0 top
NOREF#872  -  []  69.4 71.65 90 top
NOREF#873  -  []  31.89 51.66 0 top
NOREF#874  -  []  60.96 38.29 90 top
NOREF#875  -  []  4.67 20.61 0 top
NOREF#876  -  []  31.56 83.21 90 top
NOREF#877  -  []  32.68 7.94 90 top
NOREF#878  -  []  67.24 72.11 0 top
NOREF#879  -  []  80.94 72.77 0 top
NOREF#880  -  []  73.22 24.83 90 top
NOREF#881  -  []  67 11.15 0 top
NOREF#882  -  []  1.55 22.2 90 top
NOREF#883  -  []  57.69 54.97 90 top
NOREF#884  -  []  76.1 38 0 top
NOREF#885  -  []  77 83.4 0 top
NOREF#886  -  []  23.04 13.65 90 top
NOREF#887  -  []  17.71 9.46 90 top
NOREF#888  -  []  50.09 81.97 90 top
NOREF#889  -  []  87.88 66.64 90 top
NOREF#890  -  []  21.33 26.66 0 top
NOREF#891  -  []  33.03 68.26 0 top
NOREF#892  -  []  30.31 71.54 90 top
NOREF#893  -  []  64.1 18.3 90 top
NOREF#894  -  []  32.77 32.11 0 top
NOREF#895  -  []  66.81 26.04 0 top
NOREF#896  -  []  69.45 76.45 90 top
NOREF#897  -  []  78 81.2 90 top
NOREF#898  -  []  49.87 72.77 0 top
NOREF#899  -  []  6.07 86 0 top
NOREF#900  -  []  68.76 34.61 90 top
NOREF#901  -  []  22.97 67.37 0 top
NOREF#902  -  []  23.19 25.52 90 top
NOREF#903  -  []  47.41 23.4 0 top
NOREF#904  -  []  31.76 66.44 90 top
NOREF#905  -  []  68.45 34.92 90 top
NOREF#906  -  []  64.3 21.05 90 top
NOREF#907  -  []  73.15 87.18 90 top
NOREF#908  -  []  16.57 60.82 0 top
NOREF#909  -  []  79.1 45.3 90 top
NOREF#910  -  []  45.75 25.49 0 top
NOREF#911  -  []  79.99 37.96 0 top
NOREF#912  -  []  14.83 58.91 0 top
NOREF#913  -  []  85.09 43.86 0 top
NOREF#914  -  []  38.52 21.96 0 top
NOREF#915  -  []  81.53 42.3 90 top
NOREF#916  -  []  79.28 138 0 top
NOREF#917  -  []  28.94 26.04 0 top
NOREF#918  -  []  85.44 39.73 0 top
NOREF#919  -  []  46.06 25.18 90 top
NOREF#920  -  []  23.57 48.46 90 top
NOREF#921  -  []  63.67 82.19 90 top
NOREF#922  -  []  58.7 23.79 90 top
NOREF#923  -  []  32.87 89.98 0 top
NOREF#924  -  []  85.73 65.3 0 top
NOREF#925  -  []  14.3 58.2 90 top
NOREF#926  -  []  24.03 12.02 0 top
NOREF#927  -  []  86.96 9.28 0 top
NOREF#928  -  []  19.9 68.7 90 top
NOREF#929  -  []  24.32 39.21 0 top
NOREF#930  -  []  70.22 33.4 0 top
NOREF#931  -  []  37.22 19.03 0 top
NOREF#932  -  []  25.99 25.66 0 top
NOREF#933  -  []  41.67 80.08 0 top
NOREF#934  -  []  87.35 57.5 0 top
NOREF#935  -  []  62.8 45.11 90 top
NOREF#936  -  []  63.41 25.2 0 top
NOREF#937  -  []  62.35 44.23 90 top
NOREF#938  -  []  78.4 83.72 90 top
NOREF#939  -  []  50.36 36.33 90 top
NOREF#940  -  []  71.07 89.21 0 top
NOREF#941  -  []  18.54 49.91 90 top
NOREF#942  -  []  70.48 88.9 0 top
NOREF#943  -  []  80.33 6.6 0 top
